# KiCad board Top PCB.kicad_pcb
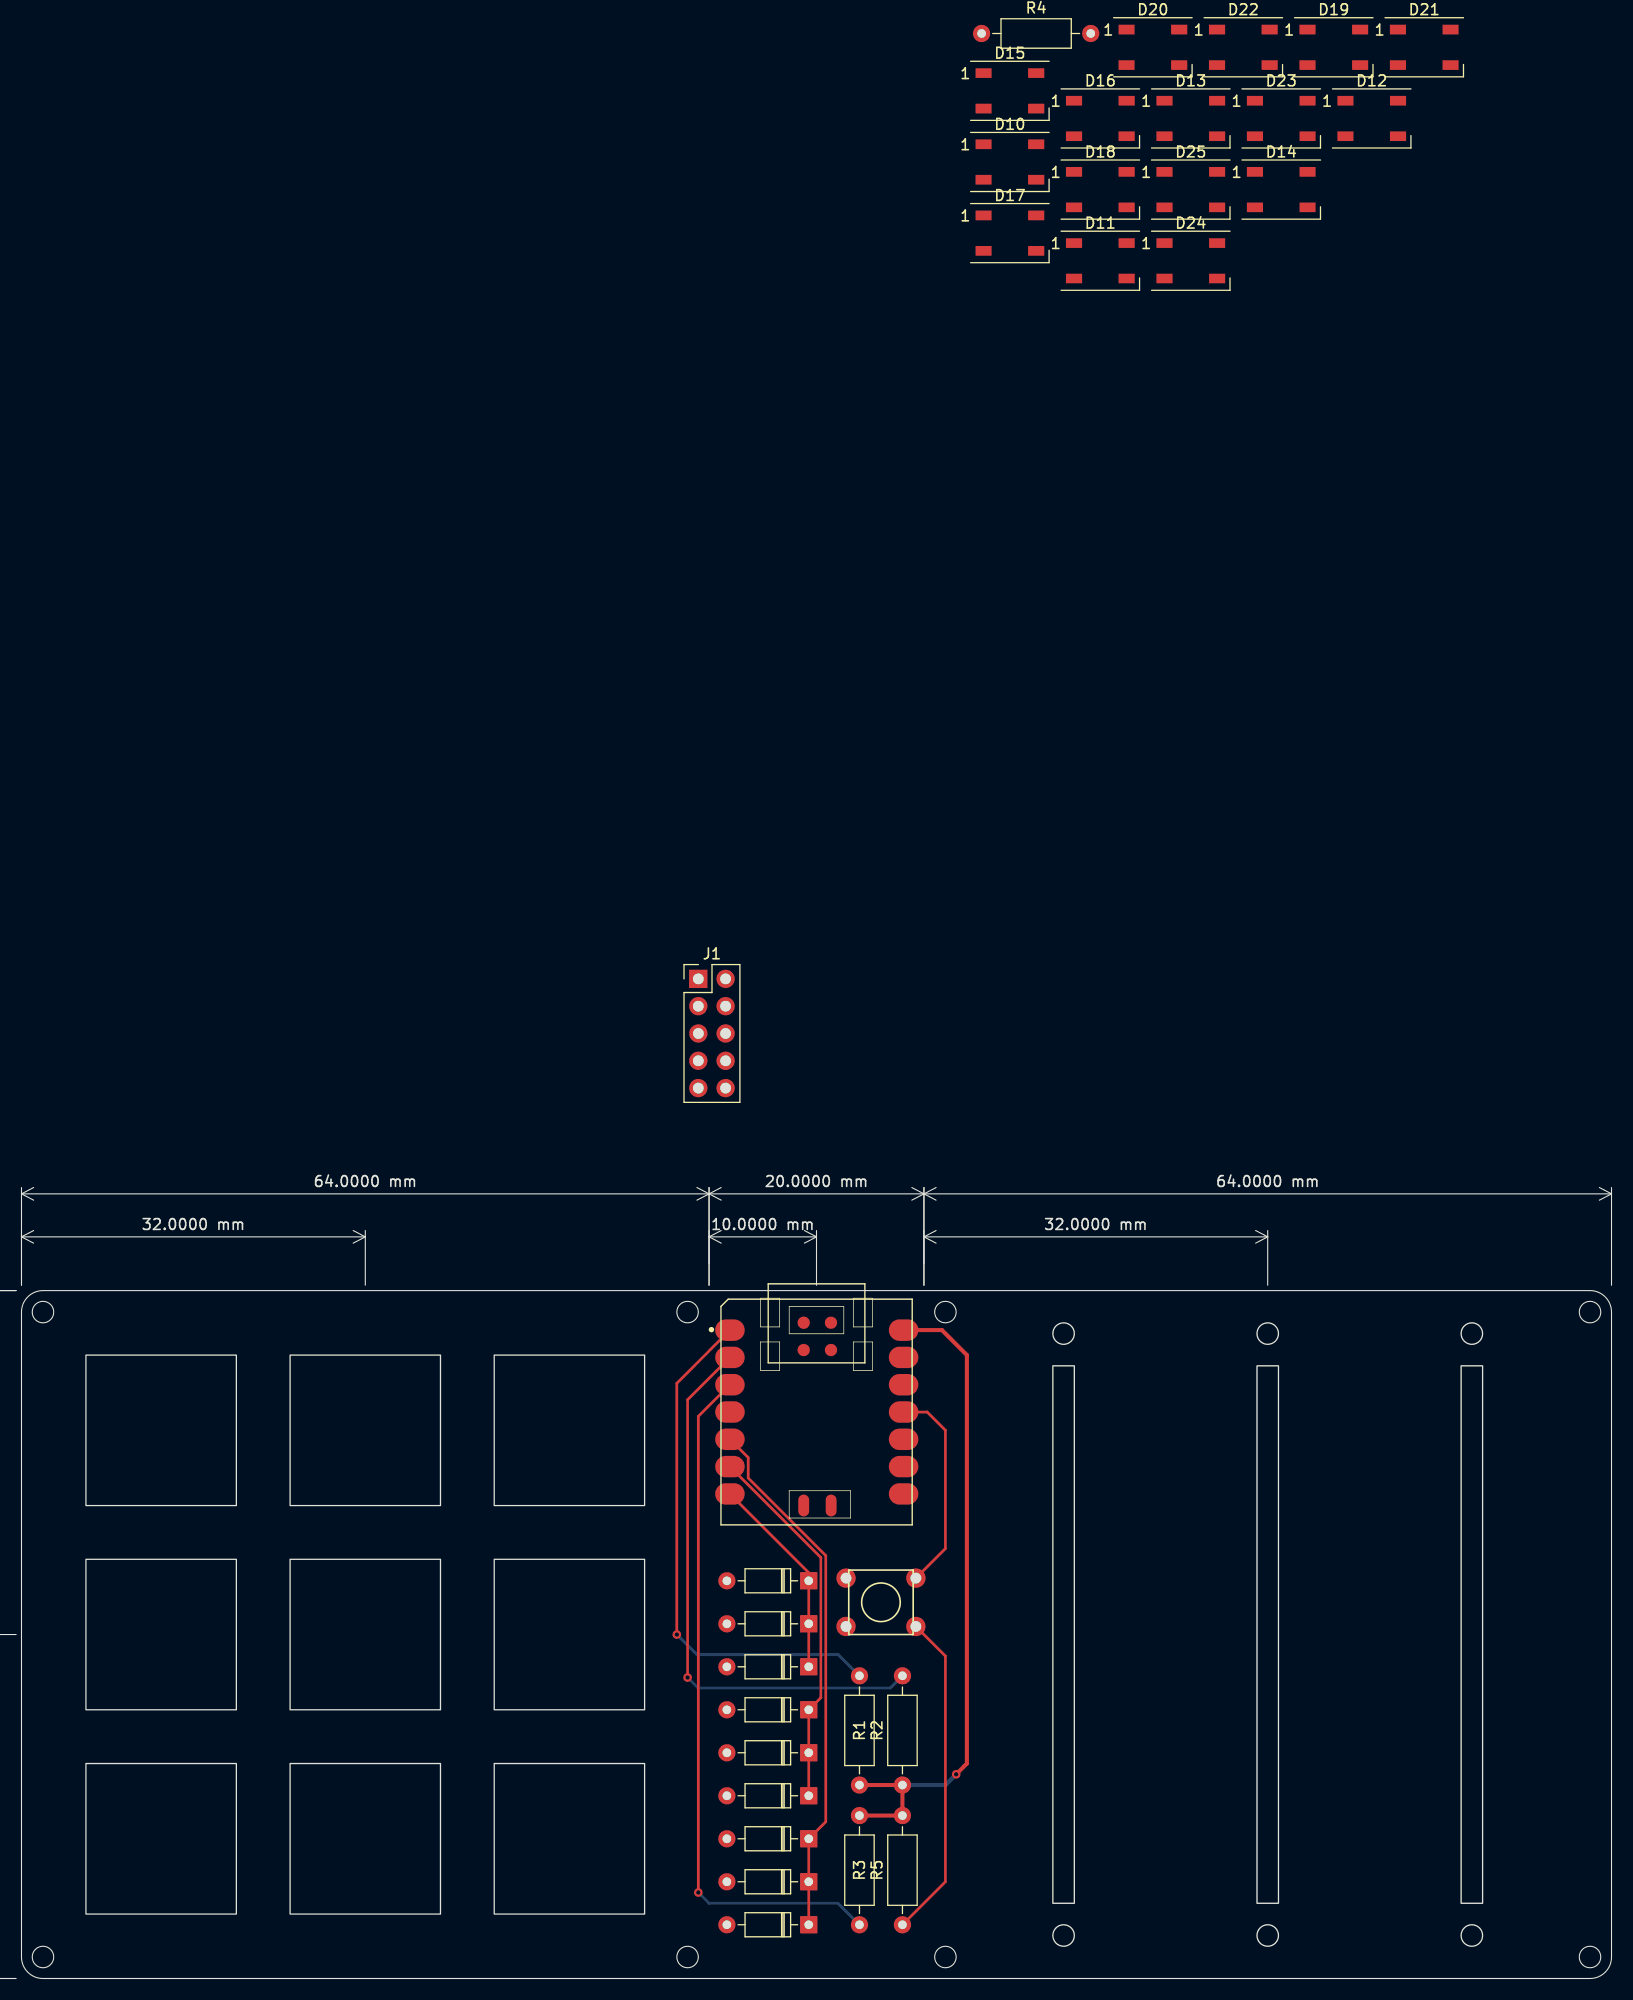
[diagram p0: board, top side]
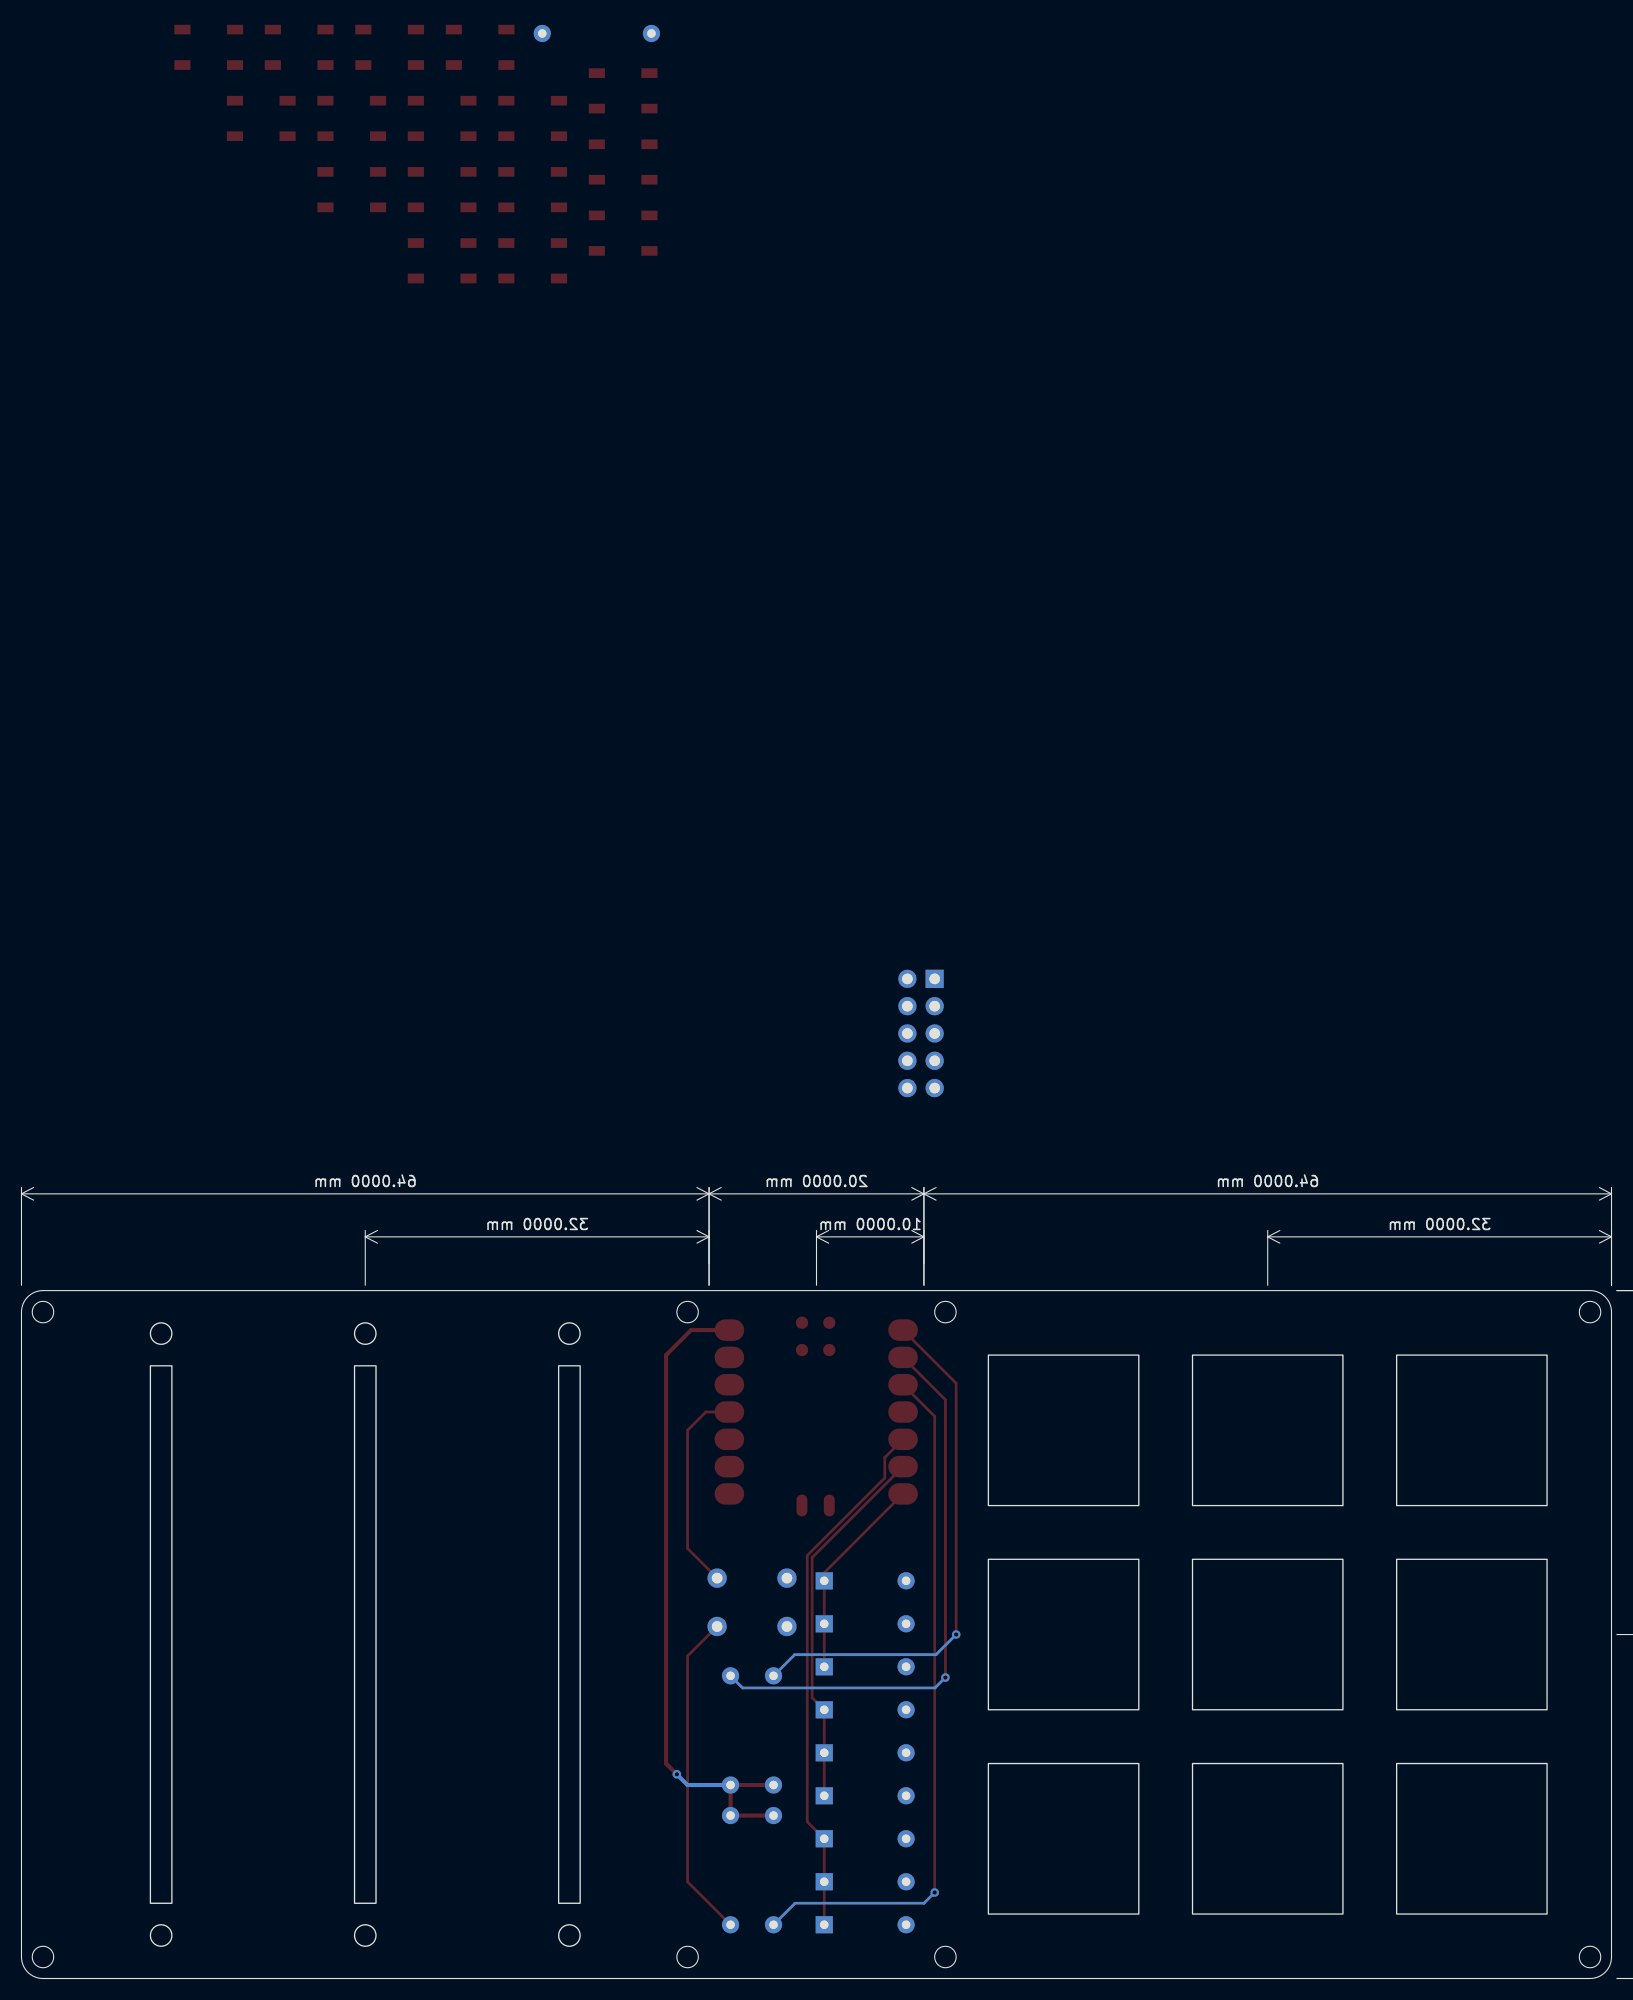
[diagram p1: board, bottom side, seen from below]

Outline 148 x 64 mm; copper layers: Top, Bottom. Coordinates in mm from the lower left corner of the outline.
Outline path: circle c2,62 r1 ; circle c2,2 r1 ; circle c62,62 r1 ; circle c62,2 r1 ; circle c86,62 r1 ; circle c86,2 r1 ; circle c146,62 r1 ; circle c146,2 r1 ; 0,62 arc(0.59,63.41) 2,64 146,64 arc(147.41,63.41) 148,62 148,2 arc(147.41,0.59) 146,0 2,0 arc(0.59,0.59) 0,2 0,62
Stack: Top 0.035mm / dielectric 1.51mm FR4 er 4.5 / Bottom 0.035mm

## Placement (name value [footprint] x y rotation side)
D1  1N4148  [D_DO-35_SOD27_P7.62mm_Horizontal]  73.28 5 180 top
D2  1N4148  [D_DO-35_SOD27_P7.62mm_Horizontal]  73.28 17 180 top
D3  1N4148  [D_DO-35_SOD27_P7.62mm_Horizontal]  73.28 29 180 top
D4  1N4148  [D_DO-35_SOD27_P7.62mm_Horizontal]  73.28 9 180 top
D5  1N4148  [D_DO-35_SOD27_P7.62mm_Horizontal]  73.28 21 180 top
D6  1N4148  [D_DO-35_SOD27_P7.62mm_Horizontal]  73.28 33 180 top
D7  1N4148  [D_DO-35_SOD27_P7.62mm_Horizontal]  73.28 13 180 top
D8  1N4148  [D_DO-35_SOD27_P7.62mm_Horizontal]  73.28 25 180 top
D9  1N4148  [D_DO-35_SOD27_P7.62mm_Horizontal]  73.28 37 180 top
D10  WS2812B  [LED_WS2812B_PLCC4_5.0x5.0mm_P3.2mm]  92 169 0 top
D11  WS2812B  [LED_WS2812B_PLCC4_5.0x5.0mm_P3.2mm]  100.42 159.81 0 top
D12  WS2812B  [LED_WS2812B_PLCC4_5.0x5.0mm_P3.2mm]  125.68 173.05 0 top
D13  WS2812B  [LED_WS2812B_PLCC4_5.0x5.0mm_P3.2mm]  108.84 173.05 0 top
D14  WS2812B  [LED_WS2812B_PLCC4_5.0x5.0mm_P3.2mm]  117.26 166.43 0 top
D15  WS2812B  [LED_WS2812B_PLCC4_5.0x5.0mm_P3.2mm]  92 175.62 0 top
D16  WS2812B  [LED_WS2812B_PLCC4_5.0x5.0mm_P3.2mm]  100.42 173.05 0 top
D17  WS2812B  [LED_WS2812B_PLCC4_5.0x5.0mm_P3.2mm]  92 162.38 0 top
D18  WS2812B  [LED_WS2812B_PLCC4_5.0x5.0mm_P3.2mm]  100.42 166.43 0 top
D19  WS2812B  [LED_WS2812B_PLCC4_5.0x5.0mm_P3.2mm]  122.15 179.67 0 top
D20  WS2812B  [LED_WS2812B_PLCC4_5.0x5.0mm_P3.2mm]  105.31 179.67 0 top
D21  WS2812B  [LED_WS2812B_PLCC4_5.0x5.0mm_P3.2mm]  130.57 179.67 0 top
D22  WS2812B  [LED_WS2812B_PLCC4_5.0x5.0mm_P3.2mm]  113.73 179.67 0 top
D23  WS2812B  [LED_WS2812B_PLCC4_5.0x5.0mm_P3.2mm]  117.26 173.05 0 top
D24  WS2812B  [LED_WS2812B_PLCC4_5.0x5.0mm_P3.2mm]  108.84 159.81 0 top
D25  WS2812B  [LED_WS2812B_PLCC4_5.0x5.0mm_P3.2mm]  108.84 166.43 0 top
J1  Conn_02x05_Counter_Clockwise  [PinHeader_2x05_P2.54mm_Vertical]  63 93 0 top
MX1  MX-NoLED  [Cherry Cutout]  13 51 0 top
MX2  MX-NoLED  [Cherry Cutout]  32 51 0 top
MX3  MX-NoLED  [Cherry Cutout]  51 51 0 top
MX4  MX-NoLED  [Cherry Cutout]  13 32 0 top
MX5  MX-NoLED  [Cherry Cutout]  32 32 0 top
MX6  MX-NoLED  [Cherry Cutout]  51 32 0 top
MX7  MX-NoLED  [Cherry Cutout]  13 13 0 top
MX8  MX-NoLED  [Cherry Cutout]  32 13 0 top
MX9  MX-NoLED  [Cherry Cutout]  51 13 0 top
R1  10k  [R_Axial_DIN0207_L6.3mm_D2.5mm_P10.16mm_Horizontal]  78 18 90 top
R2  10k  [R_Axial_DIN0207_L6.3mm_D2.5mm_P10.16mm_Horizontal]  82 18 90 top
R3  10k  [R_Axial_DIN0207_L6.3mm_D2.5mm_P10.16mm_Horizontal]  78 5 90 top
R4  10k  [R_Axial_DIN0207_L6.3mm_D2.5mm_P10.16mm_Horizontal]  89.37 180.95 0 top
R5  10k  [R_Axial_DIN0207_L6.3mm_D2.5mm_P10.16mm_Horizontal]  82 5 90 top
R6  PTA4543-2015DPB103  [Slide Pot Cutout]  97 32 0 top
R7  PTA4543-2015DPB103  [Slide Pot Cutout]  116 32 0 top
R8  PTA4543-2015DPB103  [Slide Pot Cutout]  135 32 0 top
SW1  SW_MEC_5G  [PushButton_6x6mm_TH_Pretty]  80 35 0 top
U1  SeeeduinoXIAO  [Seeeduino XIAO-MOUDLE14P-2.54-21X17.8MM]  74 53 0 top

## Library data of the parts
D1 D5 D6 D9 = -: Field4: K; Field6: K
D2-D4 D7 D8 = -: Field4: K; Field5: K
R6-R8 = -: MANUFACTURER: Bourns; MAXIMUM_PACKAGE_HEIGHT: 21.5 mm; PARTREV: 04/21; STANDARD: Manufacturer Recommendations

## Footprints (pads in the part's own frame, mm; a bottom-side part is the same pattern mirrored in y, then rotated)
D_DO-35_SOD27_P7.62mm_Horizontal
  rect 1.6x1.6 hole 0.8: 1(0,0)
  oval 1.6x1.6 hole 0.8: 2(7.62,0)
LED_WS2812B_PLCC4_5.0x5.0mm_P3.2mm
  rect 1.5x0.9 smd: 1(-2.45,1.65) 2(-2.45,-1.65) 3(2.45,-1.65) 4(2.45,1.65)
PinHeader_2x05_P2.54mm_Vertical
  rect 1.7x1.7 hole 1: 1(0,0)
  oval 1.7x1.7 hole 1: 2(2.54,0) 3(0,-2.54) 4(2.54,-2.54) 5(0,-5.08) 6(2.54,-5.08) 7(0,-7.62) 8(2.54,-7.62) 9(0,-10.16) 10(2.54,-10.16)
PushButton_6x6mm_TH_Pretty
  round 1.8 hole 1: 1(3.25,2.25) 2(-3.25,-2.25) 3(3.25,-2.25) 4(-3.25,2.25)
R_Axial_DIN0207_L6.3mm_D2.5mm_P10.16mm_Horizontal
  round 1.6 hole 0.8: 1(0,0)
  oval 1.6x1.6 hole 0.8: 2(10.16,0)
Seeeduino XIAO-MOUDLE14P-2.54-21X17.8MM
  oval 2.748x1.999 smd: 1(-8.057,7.323) 2(-8.057,4.783) 3(-8.057,2.243) 4(-8.057,-0.297) 5(-8.057,-2.837) 6(-8.057,-5.377) 7(-8.057,-7.917) 8(8.108,-7.917) 9(8.108,-5.377) 10(8.108,-2.837) 11(8.108,-0.297) 12(8.108,2.243) 13(8.108,4.783) 14(8.108,7.323)
  oval 1.016x2.032 smd: 15(-1.19,-8.995) 16(1.36,-8.995)
  round 1.143 smd: 17(-1.191,8.009) 18(1.349,8.009) 19(-1.191,5.469) 20(1.349,5.469)

## Nets
+5V: D10.1 D11.1 D12.1 D13.1 D14.1 D15.1 D16.1 D17.1 D18.1 D19.1 D20.1 D21.1 D22.1 D23.1 D24.1 D25.1 R1.1 R2.1 R3.2 R5.2 U1.14
GND: D10.3 D11.3 D12.3 D13.3 D14.3 D15.3 D16.3 D17.3 D18.3 D19.3 D20.3 D21.3 D22.3 D23.3 D24.3 D25.3 U1.13
A0: U1.10
A1: U1.9
A2: U1.8
C0: R1.2 U1.1
C1: R2.2 U1.2
C2: R3.1 U1.3
DLED: R4.1 U1.4
R0: D1.1 D4.1 D7.1 U1.5
R1: D2.1 D5.1 D8.1 U1.6
R2: D3.1 D6.1 D9.1 U1.7
Net-(D1-Pad2): D1.2
Net-(D2-Pad2): D2.2
Net-(D3-Pad2): D3.2
Net-(D4-Pad2): D4.2
Net-(D5-Pad2): D5.2
Net-(D6-Pad2): D6.2
Net-(D7-Pad2): D7.2
Net-(D8-Pad2): D8.2
Net-(D9-Pad2): D9.2
Net-(D10-Pad2): D10.2 D12.4
Net-(D10-Pad4): D10.4 R4.2
Net-(D12-Pad2): D12.2 D14.4
Net-(D14-Pad2): D14.2 D16.4
Net-(D16-Pad2): D16.2 D18.4
Net-(D18-Pad2): D18.2 D20.4
Net-(D20-Pad2): D20.2 D22.4
Net-(D22-Pad2): D22.2 D24.4
Net-(D24-Pad2): D24.2 D25.4
Net-(R5-Pad1): R5.1 SW1.3 SW1.4
Net-(SW1-Pad1): SW1.1 SW1.2 U1.11

Pads without a net: D11 2 4; D13 2 4; D15 2 4; D17 2 4; D19 2 4; D21 2 4; D23 2 4; D25 2; J1 1 2 3 4 5 6 7 8 9 10; U1 12 15 16 17 18 19 20

## Via types
v1: diameter 0.8, hole 0.4, Top to Bottom, 4 vias

## Routing (per net, layer and track width the routed paths; a pad name or vN(x,y) marks a point on that pad's centre or on a via; arc(x,y) is an arc through that point)
+5V: length 62.6
  Top w0.381: 78,15.03 78,15 ; v1(87,19) 88,20 88,58 85.68,60.32 U1.14 ; R3.2 R5.2 R2.1 R1.1
  Bottom w0.381: R2.1 86,18 v1(87,19)
A2: length 1.2
  Top w0.254: 80.92,45.08 U1.8
C0: length 49
  Top w0.254: v1(61,32) 61,55.38 U1.1
  Bottom w0.254: R1.2 76.03,30.13 62.87,30.13 v1(61,32)
C1: length 52.3
  Top w0.254: U1.2 62,53.84 v1(62,28)
  Bottom w0.254: v1(62,28) 62.97,27.03 80.87,27.03 R2.2
C2: length 64.7
  Top w0.254: v1(63,8) 63,52.3 U1.3
  Bottom w0.254: v1(63,8) 64,7 76,7 R3.1
R0: length 49.5
  Top w0.254: D1.1 D4.1 D7.1 74.86,14.58 74.86,39.35 67.64,46.56 67.64,48.46 U1.5
R1: length 34.6
  Top w0.254: U1.6 74.41,39.16 74.41,26.13 D8.1 D5.1 D2.1
R2: length 19.1
  Top w0.254: U1.7 73.28,37.75 D9.1 D6.1 D3.1
Net-(R5-Pad1): length 30.5
  Top w0.254: R5.1 86,9 86,30 SW1.3
Net-(SW1-Pad1): length 19.5
  Top w0.254: SW1.1 86,40 86,51 84.3,52.7 U1.11
